# Altium PCB S7CAS-PLEIADES-CARTE-MERE_Pxx.PcbDoc (part 2 of 8)
Units mil, origin at the board's own origin, x right, y up, seen from the top; angles counter-clockwise.
Board outline 8000 x 4000 mil, 14 copper layers (L1, L2 (GND), L3, L4 (GND), L5, L6 (GND), L7 (PWR), L8 (GND), L9 (PWR), L10 (GND), L11 (GND), L12, L13 (GND), L14), stack 81.971 mil thick; 686 components, 434 nets, 2811 pads, 1136 vias.
Unrouted connection lines stored in the file: 1167.
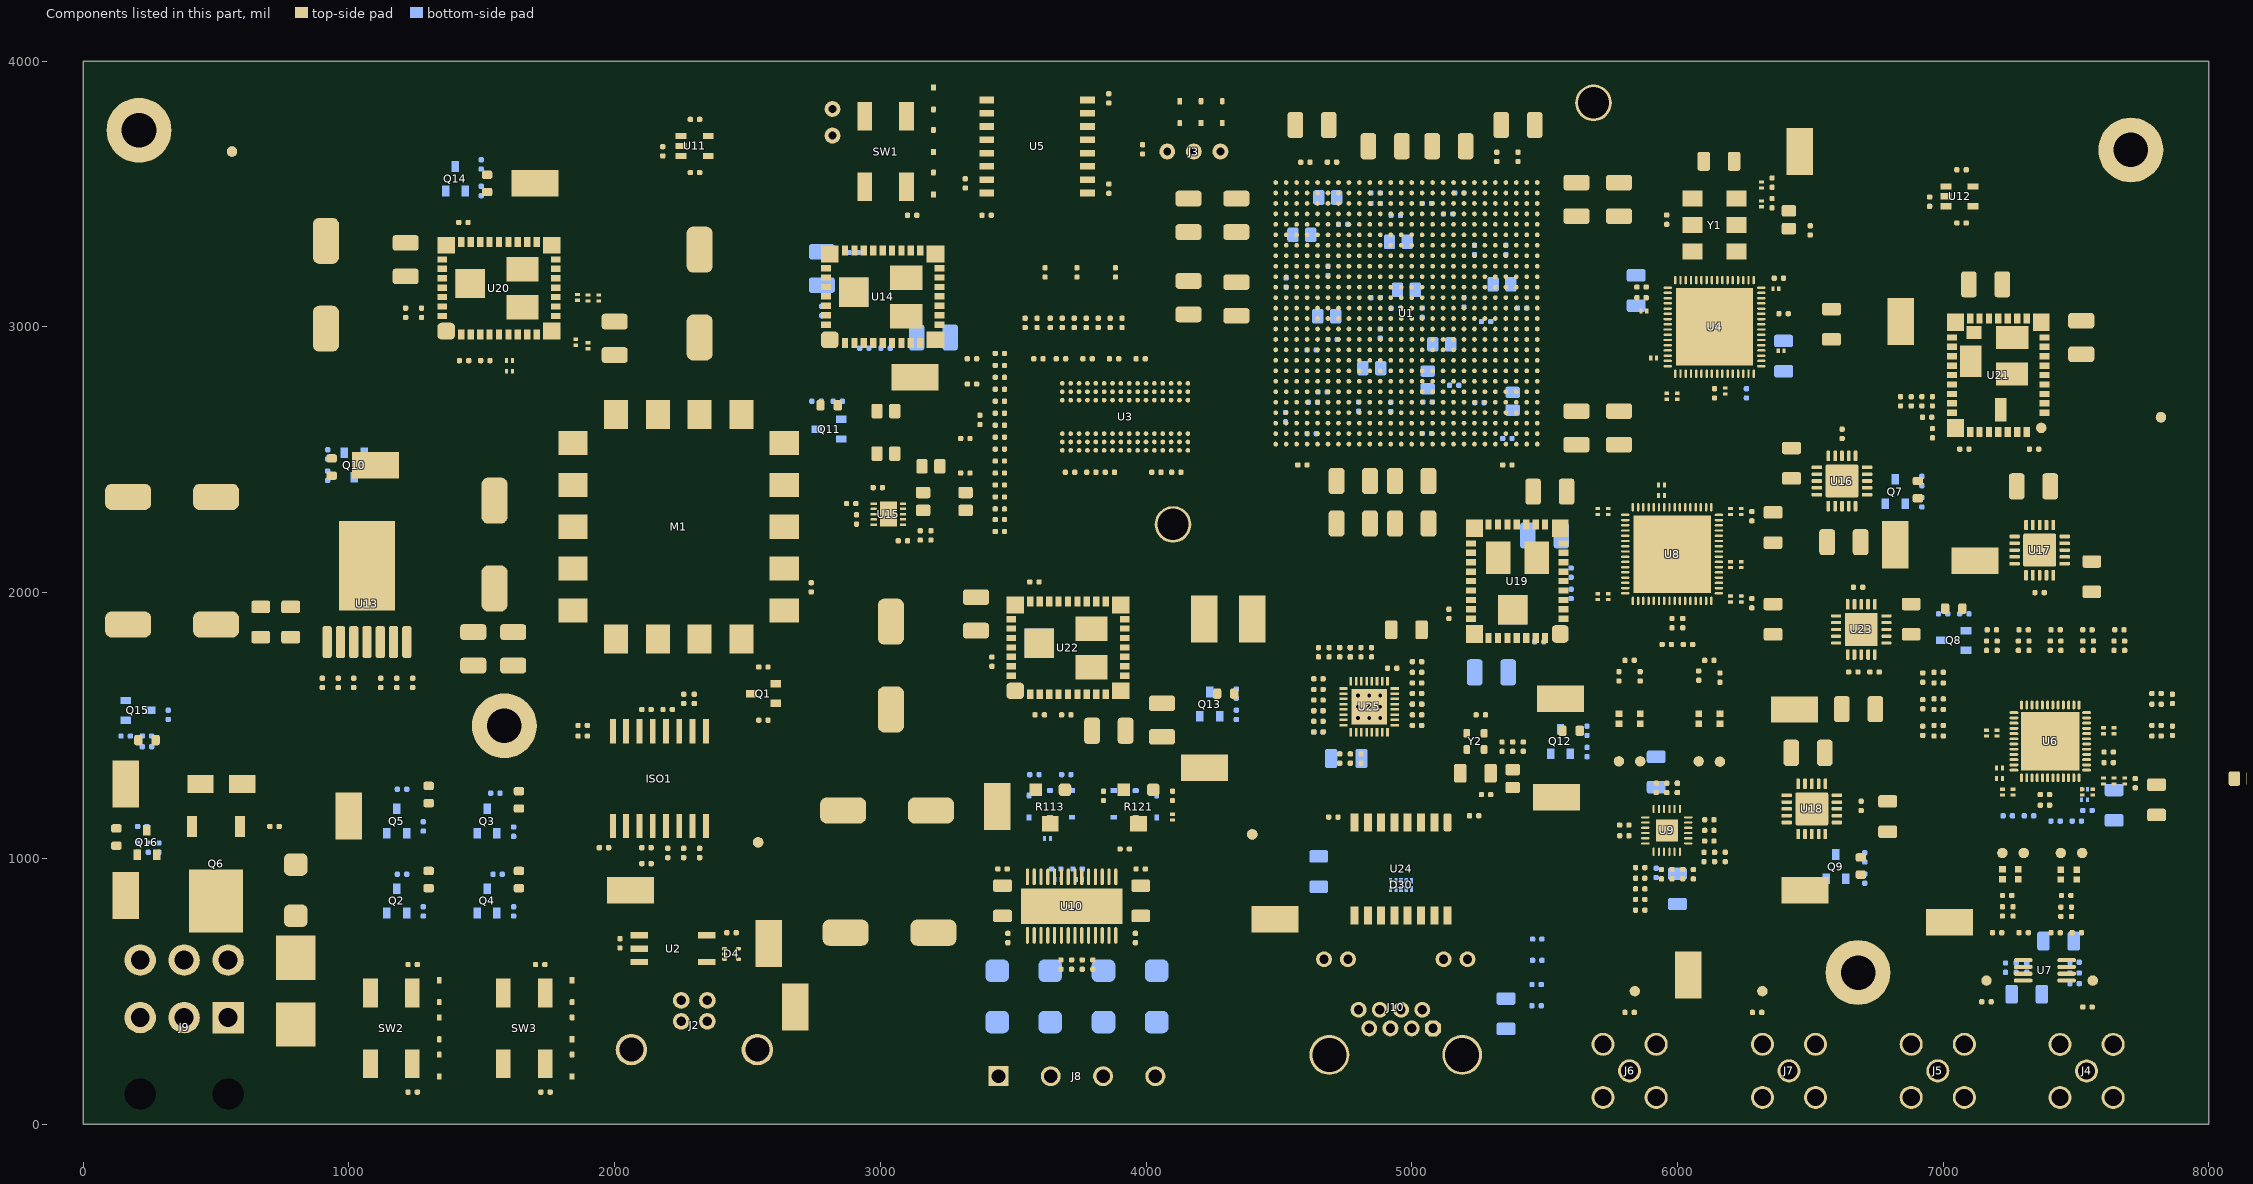
[diagram p13: the components of this part, seen from the top]

## Components (designator, comment, footprint, x,y, rotation, side; value= is the part's Value field where it differs from the comment) (continued)
R149 "RES - 0603" RES_0402 5140,1920 r90 top
R150 "RES - 0603" RES_0402 5600,1995 r270 bottom
R151 "RES - 0603" RES_0402 1433.48,2873.17 r180 top value=174K
R152 "RES - 0603" RES_0402 1430.98,3393.17 r0 top value=49K9
R153 "RES - 0603" RES_0402 1273.48,3053.17 r90 top value=400R
R154 "RES - 0603" RES_0402 5480,1815 r180 bottom
R155 "RES - 0603" RES_0402 1213.48,3053.17 r270 top value=59R
R156 "RES - 0603" RES_0402 6960,2720 r90 top value=174K
R157 "RES - 0603" RES_0402 7342.5,2540 r180 top value=78K7
R158 "RES - 0603" RES_0402 6661.94,1701.28 r180 top value=332K
R159 "RES - 0603" RES_0402 7080,2540 r0 top value=93K1
R160 "RES - 0603" RES_0402 6940,2660 r0 top value=11K5
R161 "RES - 0603" RES_0402 6741.94,1701.28 r180 top value=102K
R162 "RES - 0603" RES_0402 3580,2040 r0 top value=49K9
R163 "RES - 0603" RES_0402 3600,1540 r180 top value=348K
R164 "RES - 0603" RES_0402 3420,1740 r270 top value=1K65
R165 "RES - 0805" RES_0805 16500,1270 r90 top value=0R
R166 "RES - 1206" RES_1206 16780,1250 r90 top value=0R22
R167 "RES - 0603" RES_0402 17030,1310 r90 top value=30R
R168 "RES - 0603" RES_0402 17310,1310 r90 top value=59R
R169 "RES - 0603" RES_0402 17590,1310 r90 top value=240R
R170 "RES - 0603" RES_0402 17870,1310 r90 top value=400R
R171 "RES - 0402" RES_0402 18150,1310 r90 top value=1K14
R172 "RES - 0603" RES_0402 18410,1310 r90 top value=2.2K
R173 "RES - 0603" RES_0402 18690,1310 r90 top value=2K87
R174 "RES - 0402" RES_0402 18970,1310 r90 top value=6K49
R175 "RES - 0603" RES_0402 19250,1310 r90 top value=13K
R176 "RES - 0603" RES_0402 19530,1310 r90 top value=78K7
R177 "RES - 0603" RES_0402 19810,1310 r90 top value=93K1
R178 "RES - 0603" RES_0402 20090,1310 r90 top value=348K
R179 "RES - 0402" RES_0402 11330,1310 r90 top value=24R
R180 "RES - 0603" RES_0402 11610,1310 r90 top value=75R
R181 "RES - 0603" RES_0402 11890,1310 r90 top value=330R
R182 "RES - 0603" RES_0402 12150,1310 r90 top value=1K
R183 "RES - 0603" RES_0402 12430,1310 r90 top value=2.4K
R184 "RES - 0603" RES_0402 12710,1310 r90 top value=1K15
R185 "RES - 0603" RES_0402 12990,1310 r90 top value=11K5
R186 "RES - 0603" RES_0402 13270,1310 r90 top value=21K5
R187 "RES - 0603" RES_0402 13550,1310 r90 top value=59K
R188 "RES - 0603" RES_0402 13830,1310 r90 top value=174K
R189 "RES - 0603" RES_0402 14110,1310 r90 top value=102K
R190 "RES - 0603" RES_0402 10790,1310 r90 top value=100R
R191 "RES - 0603" RES_0402 11070,1310 r90 top value=0R
R192 "RES - 0603" RES_0402 10510,1310 r90 top value=4.7K
R193 "RES - 0603" RES_0402 8550,1310 r90 top value=750R
R194 "RES - 0603" RES_0402 8830,1310 r90 top value=1K65
R195 "RES - 0603" RES_0402 9110,1310 r90 top value=10K
R196 "RES - 0603" RES_0402 9390,1310 r90 top value=49K9
R197 "RES - 0603" RES_0402 9670,1310 r90 top value=47K
R198 "RES - 0603" RES_0402 9950,1310 r90 top value=715K
R199 "RES - 0603" RES_0402 10230,1310 r90 top value=332K
R200 "RES - 0603" RES_0402 8260,1310 r90 top value=49R9
R201 "RES - 0603" RES_0402 5470,525 r0 bottom value=75R
R202 "RES - 0603" RES_0402 5470,445 r0 bottom value=75R
R203 "RES - 0603" RES_0402 5472.5,696 r0 bottom value=75R
R204 "RES - 0603" RES_0402 5472.5,616 r0 bottom value=75R
R205 "RES - 0603" RES_0402 4649.05,1475.51 r180 bottom value=1K
R206 "RES - 0603" RES_0402 5020,1580 r0 bottom locked value=1K
R207 "RES - 0603" RES_0402 4769.05,1775.51 r90 bottom locked value=1K
R208 "RES - 0603" RES_0402 5020,1540 r180 top locked value=30R
R209 "RES - 0603" RES_0402 5020,1580 r180 top locked value=30R
R210 "RES - 0603" RES_0402 4649.05,1555.51 r0 top locked value=30R
R211 "RES - 0603" RES_0402 4649.05,1515.51 r0 top locked value=30R
R212 "RES - 0603" RES_0402 4849.05,1775.51 r270 top locked value=30R
R213 "RES - 0603" RES_0402 4769.05,1775.51 r270 top locked value=30R
R214 "RES - 0603" RES_0402 5020,1740 r180 top locked value=30R
R215 "RES - 0603" RES_0402 5020,1700 r180 top locked value=30R
R216 "RES - 0603" RES_0402 5020,1660 r180 top locked value=30R
R217 "RES - 0603" RES_0402 5020,1620 r180 top locked value=30R
R218 "RES - 0603" RES_0402 4649.05,1555.51 r180 bottom value=1K
R220 "RES - 0603" RES_0402 4809.05,1775.51 r270 top value=30R
R221 "RES - 0603" RES_0402 4689.05,1775.51 r270 top value=30R
R222 "RES - 0603" RES_0402 4649.05,1475.51 r0 top value=30R
R223 "RES - 0603" RES_0402 4649.05,1775.51 r270 top value=30R
R224 "RES - 0603" RES_0402 4649.05,1675.51 r0 top value=30R
R225 "RES - 0603" RES_0402 4649.05,1635.51 r0 top value=30R
R226 "RES - 0603" RES_0402 4649.05,1595.51 r0 top value=30R
R227 "RES - 0603" RES_0402 4729.05,1775.51 r270 top value=30R
R228 "RES - 0402" RES_0402 5020,1500 r180 top locked value=6K49
R229 "RES - 0603" RES_0402 5260,1540 r0 top value=0R
R230 "RES - 0402" RES_0402 6920,2420 r90 bottom value=750R
R231 "RES - 0402" RES_0402 7000,1920 r180 bottom value=750R
R232 "RES - 0402" RES_0402 6705.45,1003.48 r90 bottom value=750R
R233 "RES - 0402" RES_0402 920,2440 r270 bottom value=750R
R234 "RES - 0402" RES_0402 2760,2720 r180 bottom value=750R
R235 "RES - 0402" RES_0402 5660,1480 r90 bottom value=750R
R236 "RES - 0402" RES_0402 4340,1620 r90 bottom value=750R
R237 "RES - 0402" RES_0402 1498,3611.54 r90 bottom value=750R
R238 "RES - 0402" RES_0402 6920,2340 r270 bottom value=100R
R239 "RES - 0402" RES_0402 7080,1920 r180 bottom value=100R
R240 "RES - 0402" RES_0402 6705.45,923.48 r90 bottom value=100R
R241 "RES - 0402" RES_0402 920,2520 r270 bottom value=100R
R242 "RES - 0402" RES_0402 2840,2720 r0 bottom value=100R
R243 "RES - 0402" RES_0402 5660,1400 r270 bottom value=100R
R244 "RES - 0402" RES_0402 4340,1540 r270 bottom value=100R
R245 "RES - 0402" RES_0402 1498,3511.54 r90 bottom value=100R
R246 "RES - 0402" RES_0402 320,1540 r90 bottom value=750R
R247 "RES - 0402" RES_0402 240,1460 r0 bottom value=59K
R248 "RES - 0402" RES_0402 222.5,1120 r180 bottom value=750R
R249 "RES - 0402" RES_0402 285,1040 r270 bottom value=59K
R250 "RES - 0402" RES_0402 160,1460 r180 bottom value=100R
R251 "RES - 0402" RES_0402 205,1040 r90 bottom value=100R
R252 "RES - 0402" RES_0402 240,1420 r180 bottom value=10K
R253 "RES - 0402" RES_0402 245,1040 r90 bottom value=10K
R254 "RES - 0603" RES_0402 3450,2675 r0 top
SW1 "B3SN-3012P" SWI_TACT_B3SN-3012P 3020,3660 r90 top
SW2 "B3SN-3012P" SWI_TACT_B3SN-3012P 1160,360 r90 top
SW3 "B3SN-3012P" SWI_TACT_B3SN-3012P 1660,360 r90 top
TP1 "1 MM" TPO_SMD_ROUND_1MM 7523.31,1020 r0 top
TP2 "1 MM" TPO_SMD_ROUND_1MM 7443.31,1020 r90 top
TP3 "1 MM" TPO_SMD_ROUND_1MM 7563.31,540 r90 top
TP4 "1 MM" TPO_SMD_ROUND_1MM 7223.31,1020 r90 top
TP5 "1 MM" TPO_SMD_ROUND_1MM 7303.31,1020 r90 top
TP6 "1 MM" TPO_SMD_ROUND_1MM 7163.31,540 r90 top
TP7 "1 MM" TPO_SMD_ROUND_1MM 5840,500 r90 top
TP8 "5019" TPO_SMD_5019 7023.31,760 r0 top value="3.81mm x 2.03mm"
TP9 "1 MM" TPO_SMD_ROUND_1MM 5780,1365 r180 top
TP10 "1 MM" TPO_SMD_ROUND_1MM 5860,1365 r180 top
TP11 "1 MM" TPO_SMD_ROUND_1MM 6320,500 r90 top
TP12 "5019" TPO_SMD_5019 6040,560 r270 top value="3.81mm x 2.03mm"
TP14 "1 MM" TPO_SMD_ROUND_1MM 6080,1365 r180 top
TP15 "5019" TPO_SMD_5019 3440,1195 r90 top value="3.81mm x 2.03mm"
TP16 "5019" TPO_SMD_5019 4220,1340 r0 top value="3.81mm x 2.03mm"
TP17 "5019" TPO_SMD_5019 160,860 r90 top value="3.81mm x 2.03mm"
TP18 "5019" TPO_SMD_5019 2060,880 r180 top value="3.81mm x 2.03mm"
TP19 "5019" TPO_SMD_5019 160,1280 r270 top value="3.81mm x 2.03mm"
TP20 "5019" TPO_SMD_5019 5560,1600 r180 top value="3.81mm x 2.03mm"
TP21 "5019" TPO_SMD_5019 6820,2180 r90 top value="3.81mm x 2.03mm"
TP22 "5019" TPO_SMD_5019 1700,3540 r180 top value="3.81mm x 2.03mm"
TP23 "5019" TPO_SMD_5019 2680,440 r270 top value="3.81mm x 2.03mm"
TP24 "5019" TPO_SMD_5019 6460,3660 r90 top value="3.81mm x 2.03mm"
TP25 "5019" TPO_SMD_5019 4220,1900 r90 top value="3.81mm x 2.03mm"
TP26 "5019" TPO_SMD_5019 3130,2810 r180 top value="3.81mm x 2.03mm"
TP27 "5019" TPO_SMD_5019 4400,1900 r90 top value="3.81mm x 2.03mm"
TP28 "5019" TPO_SMD_5019 6440,1560 r180 top value="3.81mm x 2.03mm"
TP29 "5019" TPO_SMD_5019 6480,880 r180 top value="3.81mm x 2.03mm"
TP30 "5019" TPO_SMD_5019 6840,3020 r90 top value="3.81mm x 2.03mm"
TP31 "5019" TPO_SMD_5019 1100,2480 r0 top value="3.81mm x 2.03mm"
TP32 "5019" TPO_SMD_5019 2580,680 r90 top value="3.81mm x 2.03mm"
TP33 "5019" TPO_SMD_5019 4485,770 r0 top value="3.81mm x 2.03mm"
TP34 "5019" TPO_SMD_5019 1000,1160 r90 top value="3.81mm x 2.03mm"
TP35 "5019" TPO_SMD_5019 5545,1230 r180 top value="3.81mm x 2.03mm"
TP36 "5019" TPO_SMD_5019 7120,2120 r180 top value="3.81mm x 2.03mm"
TP37 "1 MM" TPO_SMD_ROUND_1MM 6160,1363.7 r180 top
U1 "XC6SLX100-3FGG676C" FPGA_XILINX_FGG676 4980.31,3051.18 r180 top locked
U2 "TLP2362" OPTO_TLP2362 2220,660 r180 top
U3 "MT41J128M16JT-125" MEM_DDR3_MT41J128M16JT-125 3921.25,2661.41 r270 top locked
U4 "CDCE62005RGZT" TIM_CDCE62005RGZT 6139.69,3000 r0 top
U5 "M25P128-VMF6TP" "FLASH - M25P128-VMF6TP" 3590,3679 r0 top
U6 "AD9146BCPZ" DAC_AD9146BCPZ 7403.31,1440 r180 top
U7 "AD8056ARMZ" OPAMP_AD8056ARMZ 7383.31,578.39 r180 top
U8 "ADS62P48IRGCT" ADC_ADS62P48IRGCT 5980,2145 r0 top
U9 "ADA4927-2YCPZ-R2" OPAMP_ADA4927-2YCPZ-R2 5960,1105 r90 top
U10 "DRV8811PWPR" POW_MOTOR_DRV8811PWPR 3720,820 r270 top
U11 "TC74A0-3.3VCTTR" SEN_TEMP_TC74A0-3.3VCTTR 2301.3,3680.94 r0 top
U12 "TC74A0-3.3VCTTR" SEN_TEMP_TC74A0-3.3VCTTR 7061.82,3491.28 r0 top
U13 "LMZ23605TZE/NOPB" REG_SWR_LMZ23605TZE/NOPB 1068.03,2101.5 r0 top
U14 "LMZ30604" REG_SWI_LMZ30604 2810,2951.5 r0 top
U15 "TPS51200DRCT" REG_PMIC_TPS51200DRCT 3030.48,2295.2 r180 top
U16 "TPS7A4701RGWR" REG_TPS7A4701RGWR 6619.37,2420 r90 top value="1.4 à 34V"
U17 "TPS7A4701RGWR" REG_TPS7A4701RGWR 7363.31,2160 r270 top locked value="1.4 à 34V"
U18 "TPS7A4701RGWR" REG_TPS7A4701RGWR 6505.9,1185.9 r0 top locked value="1.4 à 34V"
U19 "LMZ30602" REG_SWI_LMZ30602 5559.13,1844.45 r90 top locked
U20 "LMZ30604" REG_SWI_LMZ30604 1366.08,2984.19 r0 top
U21 "LMZ34002RKGR" REG_SWR_LMZ34002RKGR 7208.03,2818.66 r90 top value="-3 ~ -17V"
U22 "LMZ30602" REG_SWI_LMZ30602 3507.6,1630.31 r0 top
U23 "TPS7A3301RGWR" REG_LDO_TPS7A3301RGWR 6691.94,1861.28 r0 top value=-1.18V~-33V
U24 "PT61017PEL" ISO_PT61017PEL 4960,960 r270 top locked
U25 "KSZ8091MNXCA" COM_ETH_PHY_KSZ8091MNXCA 4840,1570.31 r90 top locked
Y1 "590BD-BDG" OSC_590BD-BDG 6139.69,3383.31 r0 top value="±7ppm (freq Stability), ±20ppm (freq stability total)"
Y2 "ASDMB-25.000MHZ-LC-T" OSC_ASDMB-25.000MHZ-LC-T 5240,1440 r180 top value=25MHz

## Footprints (in the part's own frame and the unit in brackets; to place one, negate y for a bottom-side part, rotate by r counter-clockwise, add the part's x,y. Pads: shape width x height; smd on the part's side, far side on the other; paste and mask are expansions set on the pad)
ADC_ADS62P48IRGCT [mm] "QFN, 64-Leads, Body 9,00x9,00mm, Pitch 0,50mm, Thermal Pad 7,40x7,40mm, IPC Medium Density"
  oval 0.8x0.23 smd mask+0.07: 1(-4.475,3.75) 2(-4.475,3.25) 3(-4.475,2.75) 4(-4.475,2.25) 5(-4.475,1.75) 6(-4.475,1.25) 7(-4.475,0.75) 8(-4.475,0.25) 9(-4.475,-0.25) 10(-4.475,-0.75) 11(-4.475,-1.25) 12(-4.475,-1.75) 13(-4.475,-2.25) 14(-4.475,-2.75) 15(-4.475,-3.25) 16(-4.475,-3.75) 33(4.475,-3.75) 34(4.475,-3.25) 35(4.475,-2.75) 36(4.475,-2.25) 37(4.475,-1.75) 38(4.475,-1.25) 39(4.475,-0.75) 40(4.475,-0.25) 41(4.475,0.25) 42(4.475,0.75) 43(4.475,1.25) 44(4.475,1.75) 45(4.475,2.25) 46(4.475,2.75) 47(4.475,3.25) 48(4.475,3.75)
  oval 0.23x0.8 smd mask+0.07: 17(-3.75,-4.475) 18(-3.25,-4.475) 19(-2.75,-4.475) 20(-2.25,-4.475) 21(-1.75,-4.475) 22(-1.25,-4.475) 23(-0.75,-4.475) 24(-0.25,-4.475) 25(0.25,-4.475) 26(0.75,-4.475) 27(1.25,-4.475) 28(1.75,-4.475) 29(2.25,-4.475) 30(2.75,-4.475) 31(3.25,-4.475) 32(3.75,-4.475) 49(3.75,4.475) 50(3.25,4.475) 51(2.75,4.475) 52(2.25,4.475) 53(1.75,4.475) 54(1.25,4.475) 55(0.75,4.475) 56(0.25,4.475) 57(-0.25,4.475) 58(-0.75,4.475) 59(-1.25,4.475) 60(-1.75,4.475) 61(-2.25,4.475) 62(-2.75,4.475) 63(-3.25,4.475) 64(-3.75,4.475)
  rect 7.4x7.4 smd mask+0.07: PAD(0,0)
  silkscreen extent -5.5,-4.72 4.72,4.72, body extent -4.57,-4.57 4.57,4.57, height 1
ATS-H1-164-C2-R0 [mm]
  round 3.5 hole 3 paste-2539.97: 1(-19.6,20.9)
  round 3.5 hole 3: 2(20.7,-19.3)
  body extent -23.83,-23.73 24.43,24.53, height 35
CAP_0201 [mil]
  rect 12x18 smd: 1(-11,0) 2(11,0)
  silkscreen extent -22,-14 22,14, body extent -12,-6 12,6, height 12
CAP_0402 [mil]
  rrect60% 20x20 smd: 1(-17.5,0) 2(17.5,0)
  silkscreen extent -32,-15 32,15, body extent -19,-10 20,10, height 20
CAP_0805 [mil]
  rrect37% 43x55 smd: 1(-33.5,0) 2(33.5,0)
  silkscreen extent -66,-38 66,38, body extent -39,-24 40,25, height 49
CAP_1206 [mil]
  rrect34% 47x71 smd: 1(-57,0) 2(57,0)
  silkscreen extent -91,-45 91,45, body extent -62,-31 64,32, height 49
CAP_1210 [mm]
  rrect40% 1.5x2.5 smd: 1(-1.6,0) 2(1.6,0)
  silkscreen extent -2.54,-1.78 2.54,1.78, body extent -1.57,-1.24 1.63,1.26, height 2.5
CAP_ALU_1010_vishay [mm]
  rrect50% 4.4x2.5 smd: 1(8.4,0) 2(0,0)
  silkscreen extent -0.72,-6.05 11.22,5.28, body extent -1.4,-5.17 10.2,5.13, height 10.2
CAP_ALU_1616_vishay [mm]
  rrect50% 7.8x9.6 smd: 1(12.5,0) 2(0,0)
  silkscreen extent -2.7,-8.42 16.68,8.6, body extent -2.7,-8.4 15,8.6, height 16.5
COM_ETH_PHY_KSZ8091MNXCA [mm]
  rect 0.8x0.25 smd: 1(-2.45,1.75) 2(-2.45,1.25) 3(-2.45,0.75) 4(-2.45,0.25) 5(-2.45,-0.25) 6(-2.45,-0.75) 7(-2.45,-1.25) 8(-2.45,-1.75) 17(2.45,-1.75) 18(2.45,-1.25) 19(2.45,-0.75) 20(2.45,-0.25) 21(2.45,0.25) 22(2.45,0.75) 23(2.45,1.25) 24(2.45,1.75)
  rect 0.25x0.8 smd: 9(-1.75,-2.45) 10(-1.25,-2.45) 11(-0.75,-2.45) 12(-0.25,-2.45) 13(0.25,-2.45) 14(0.75,-2.45) 15(1.25,-2.45) 16(1.75,-2.45) 25(1.75,2.45) 26(1.25,2.45) 27(0.75,2.45) 28(0.25,2.45) 29(-0.25,2.45) 30(-0.75,2.45) 31(-1.25,2.45) 32(-1.75,2.45)
  rrect0% 3.4x3.4 smd: 33(0,0)
  round 0.6 hole 0.35: 34(-1.07,1.07) 35(0,1.07) 36(1.07,1.07) 37(-1.07,0) 38(0,0) 39(1.07,0) 40(-1.07,-1.07) 41(0,-1.07) 42(1.07,-1.07)
  silkscreen extent -3.48,-2.98 2.98,2.98, body extent -2.5,-2.5 2.5,2.5, height 0.9
CON_MINIFIT_0039300060 [mm]
  round 0 hole 2.997 unplated mask+0.07: 0(-4.2,2.718) 0(4.2,2.718)
  rect 3x3 hole 1.803 mask+0.07: 1(-4.2,-4.583)
  round 3 hole 1.803 mask+0.07: 2(0,-4.583) 3(4.2,-4.583) 4(-4.2,-10.082) 5(0,-10.082) 6(4.2,-10.082)
  silkscreen extent -7.37,-3.3 6.98,9.4, body extent -7.3,-10.62 6.9,9.32, height 11.4
CON_USB_USB-B-S-F-B-TH [mm]
  round 1.6 hole 0.9 mask+0.07: 1(1.25,4.7) 2(-1.25,4.7) 3(-1.25,2.7) 4(1.25,2.7)
  round 3 hole 2.3 mask+0.07: 5(-6.02,0) 6(6.02,0)
  silkscreen extent -6.38,-5.7 6.38,6.32, body extent -7.25,-10.4 7.25,6.1, height 10.9
CONN_ETHERNET_RJHSE-5385 [mil] "Ethernet connector with LEDs"
  round 150 hole 128: 0(-250,-100) 0(250,-100)
  oct 60x60 hole 35: 1(140,0)
  round 60 hole 35: 2(100,70) 3(60,0) 4(20,70) 5(-20,0) 6(-60,70) 7(-100,0) 8(-140,70) 9(270,260) 10(180,260) 11(-180,260) 12(-270,260)
  silkscreen extent -330,-300 335,300, body extent -329,-325 334,313, height 597
CONN_SMA_5-1814400-1 [mm] "SMA Right Angle Jack, 14.8x6.35x9.6mm"
  round 2.2 hole 1.65: 1(0,0) 2(-2.54,2.54) 3(2.54,2.54) 4(-2.54,-2.54) 5(2.54,-2.54)
  silkscreen extent -3.17,-3.17 3.17,3.17, body extent -3.15,-3.16 3.18,11.04, height 10.47
CONN_TERMINAL_OSTTA040161 [mm] "4-pins terminal block"
  rect 1.905x1.905 hole 1.3 mask+0.12: 1(-7.5,0)
  round 1.905 hole 1.3 mask+0.12: 2(-2.5,0) 3(2.5,0) 4(7.5,0)
  silkscreen extent -10.6,-4 10.6,5, body extent -10.67,-3.3 10.49,4.2, height 10.08
DAC_AD9146BCPZ [mm] "QFN, 48-Leads, Body 7x7mm, Pitch 0.5mm, Thermal Pad 5.6x5.6mm, IPC Medium Density"
  oval 0.85x0.28 smd mask+0.07: 1(-3.475,2.75) 2(-3.475,2.25) 3(-3.475,1.75) 4(-3.475,1.25) 5(-3.475,0.75) 6(-3.475,0.25) 7(-3.475,-0.25) 8(-3.475,-0.75) 9(-3.475,-1.25) 10(-3.475,-1.75) 11(-3.475,-2.25) 12(-3.475,-2.75) 25(3.475,-2.75) 26(3.475,-2.25) 27(3.475,-1.75) 28(3.475,-1.25) 29(3.475,-0.75) 30(3.475,-0.25) 31(3.475,0.25) 32(3.475,0.75) 33(3.475,1.25) 34(3.475,1.75) 35(3.475,2.25) 36(3.475,2.75)
  oval 0.28x0.85 smd mask+0.07: 13(-2.75,-3.475) 14(-2.25,-3.475) 15(-1.75,-3.475) 16(-1.25,-3.475) 17(-0.75,-3.475) 18(-0.25,-3.475) 19(0.25,-3.475) 20(0.75,-3.475) 21(1.25,-3.475) 22(1.75,-3.475) 23(2.25,-3.475) 24(2.75,-3.475) 37(2.75,3.475) 38(2.25,3.475) 39(1.75,3.475) 40(1.25,3.475) 41(0.75,3.475) 42(0.25,3.475) 43(-0.25,3.475) 44(-0.75,3.475) 45(-1.25,3.475) 46(-1.75,3.475) 47(-2.25,3.475) 48(-2.75,3.475)
  rect 5.6x5.6 smd mask+0.07: PAD(0,0)
  silkscreen extent -4.47,-3.7 3.7,3.7, body extent -3.55,-3.55 3.55,3.55, height 0.8
FER_0805 [mil]
  rrect37% 43x55 smd: 1(-33.5,0) 2(33.5,0)
  silkscreen extent -66,-38 66,38, body extent -40,-25 38,25, height 33
"FID_CIRCLE_1MM - PASTE_MASK" [mm]
  round 1 smd paste-1 mask+1: 1(0,0)
  round 1 smd far side paste-1 mask+1: 2(0,0)
  L1 keep-out circle w1: c0,0 r1
  L14 keep-out circle w1: c0,0 r1
  silkscreen extent -1.65,-1.65 1.65,1.65
"FLASH - M25P128-VMF6TP" [mil]
  rect 55x25 smd mask+2.76: 1(-190,175) 2(-190,125) 3(-190,75) 4(-190,25) 5(-190,-25) 6(-190,-75) 7(-190,-125) 8(-190,-175) 9(190,-175) 10(190,-125) 11(190,-75) 12(190,-25) 13(190,25) 14(190,75) 15(190,125) 16(190,175)
  silkscreen extent -218,-205 190,205, body extent -209,-203 209,203, height 104
FPGA_XILINX_FGG676 [mm]
  round 0.45 smd mask+0.05: A1(-12.5,12.5) A2(-11.5,12.5) A3(-10.5,12.5) A4(-9.5,12.5) A5(-8.5,12.5) A6(-7.5,12.5) A7(-6.5,12.5) A8(-5.5,12.5) A9(-4.5,12.5) A10(-3.5,12.5) A11(-2.5,12.5) A12(-1.5,12.5) A13(-0.5,12.5) A14(0.5,12.5) A15(1.5,12.5) A16(2.5,12.5) A17(3.5,12.5) A18(4.5,12.5) A19(5.5,12.5) A20(6.5,12.5) A21(7.5,12.5) A22(8.5,12.5) A23(9.5,12.5) A24(10.5,12.5) A25(11.5,12.5) A26(12.5,12.5) AA1(-12.5,-7.5) AA2(-11.5,-7.5) AA3(-10.5,-7.5) AA4(-9.5,-7.5) AA5(-8.5,-7.5) AA6(-7.5,-7.5) AA7(-6.5,-7.5) AA8(-5.5,-7.5) AA9(-4.5,-7.5) AA10(-3.5,-7.5) AA11(-2.5,-7.5) AA12(-1.5,-7.5) AA13(-0.5,-7.5) AA14(0.5,-7.5) AA15(1.5,-7.5) AA16(2.5,-7.5) AA17(3.5,-7.5) AA18(4.5,-7.5) AA19(5.5,-7.5) AA20(6.5,-7.5) AA21(7.5,-7.5) AA22(8.5,-7.5) AA23(9.5,-7.5) AA24(10.5,-7.5) AA25(11.5,-7.5) AA26(12.5,-7.5) AB1(-12.5,-8.5) AB2(-11.5,-8.5) AB3(-10.5,-8.5) AB4(-9.5,-8.5) AB5(-8.5,-8.5) AB6(-7.5,-8.5) AB7(-6.5,-8.5) AB8(-5.5,-8.5) AB9(-4.5,-8.5) AB10(-3.5,-8.5) AB11(-2.5,-8.5) AB12(-1.5,-8.5) AB13(-0.5,-8.5) AB14(0.5,-8.5) AB15(1.5,-8.5) AB16(2.5,-8.5) AB17(3.5,-8.5) AB18(4.5,-8.5) AB19(5.5,-8.5) AB20(6.5,-8.5) AB21(7.5,-8.5) AB22(8.5,-8.5) AB23(9.5,-8.5) AB24(10.5,-8.5) AB25(11.5,-8.5) AB26(12.5,-8.5) AC1(-12.5,-9.5) AC2(-11.5,-9.5) AC3(-10.5,-9.5) AC4(-9.5,-9.5) AC5(-8.5,-9.5) AC6(-7.5,-9.5) AC7(-6.5,-9.5) AC8(-5.5,-9.5) AC9(-4.5,-9.5) AC10(-3.5,-9.5) AC11(-2.5,-9.5) AC12(-1.5,-9.5) AC13(-0.5,-9.5) AC14(0.5,-9.5) AC15(1.5,-9.5) AC16(2.5,-9.5) AC17(3.5,-9.5) AC18(4.5,-9.5) AC19(5.5,-9.5) AC20(6.5,-9.5) AC21(7.5,-9.5) AC22(8.5,-9.5) AC23(9.5,-9.5) AC24(10.5,-9.5) AC25(11.5,-9.5) AC26(12.5,-9.5) AD1(-12.5,-10.5) AD2(-11.5,-10.5) AD3(-10.5,-10.5) AD4(-9.5,-10.5) AD5(-8.5,-10.5) AD6(-7.5,-10.5) AD7(-6.5,-10.5) AD8(-5.5,-10.5) AD9(-4.5,-10.5) AD10(-3.5,-10.5) AD11(-2.5,-10.5) AD12(-1.5,-10.5) AD13(-0.5,-10.5) AD14(0.5,-10.5) AD15(1.5,-10.5) AD16(2.5,-10.5) AD17(3.5,-10.5) AD18(4.5,-10.5) AD19(5.5,-10.5) AD20(6.5,-10.5) AD21(7.5,-10.5) AD22(8.5,-10.5) AD23(9.5,-10.5) AD24(10.5,-10.5) AD25(11.5,-10.5) AD26(12.5,-10.5) AE1(-12.5,-11.5) AE2(-11.5,-11.5) AE3(-10.5,-11.5) AE4(-9.5,-11.5) AE5(-8.5,-11.5) AE6(-7.5,-11.5) AE7(-6.5,-11.5) AE8(-5.5,-11.5) AE9(-4.5,-11.5) AE10(-3.5,-11.5) AE11(-2.5,-11.5) AE12(-1.5,-11.5) AE13(-0.5,-11.5) AE14(0.5,-11.5) AE15(1.5,-11.5) AE16(2.5,-11.5) AE17(3.5,-11.5) AE18(4.5,-11.5) AE19(5.5,-11.5) AE20(6.5,-11.5) AE21(7.5,-11.5) AE22(8.5,-11.5) AE23(9.5,-11.5) AE24(10.5,-11.5) AE25(11.5,-11.5) AE26(12.5,-11.5) AF1(-12.5,-12.5) AF2(-11.5,-12.5) AF3(-10.5,-12.5) AF4(-9.5,-12.5) AF5(-8.5,-12.5) AF6(-7.5,-12.5) AF7(-6.5,-12.5) AF8(-5.5,-12.5) AF9(-4.5,-12.5) AF10(-3.5,-12.5) AF11(-2.5,-12.5) AF12(-1.5,-12.5) AF13(-0.5,-12.5) AF14(0.5,-12.5) AF15(1.5,-12.5) AF16(2.5,-12.5) AF17(3.5,-12.5) AF18(4.5,-12.5) AF19(5.5,-12.5) AF20(6.5,-12.5) AF21(7.5,-12.5) AF22(8.5,-12.5) AF23(9.5,-12.5) AF24(10.5,-12.5) AF25(11.5,-12.5) AF26(12.5,-12.5) B1(-12.5,11.5) B2(-11.5,11.5) B3(-10.5,11.5) B4(-9.5,11.5) B5(-8.5,11.5) B6(-7.5,11.5) B7(-6.5,11.5) B8(-5.5,11.5) B9(-4.5,11.5) B10(-3.5,11.5) B11(-2.5,11.5) B12(-1.5,11.5) B13(-0.5,11.5) B14(0.5,11.5) B15(1.5,11.5) B16(2.5,11.5) B17(3.5,11.5) B18(4.5,11.5) B19(5.5,11.5) B20(6.5,11.5) B21(7.5,11.5) B22(8.5,11.5) B23(9.5,11.5) B24(10.5,11.5) B25(11.5,11.5) B26(12.5,11.5) C1(-12.5,10.5) C2(-11.5,10.5) C3(-10.5,10.5) C4(-9.5,10.5) C5(-8.5,10.5) C6(-7.5,10.5) C7(-6.5,10.5) C8(-5.5,10.5) C9(-4.5,10.5) C10(-3.5,10.5) C11(-2.5,10.5) C12(-1.5,10.5) C13(-0.5,10.5) C14(0.5,10.5) C15(1.5,10.5) C16(2.5,10.5) C17(3.5,10.5) C18(4.5,10.5) C19(5.5,10.5) C20(6.5,10.5) C21(7.5,10.5) C22(8.5,10.5) C23(9.5,10.5) C24(10.5,10.5) C25(11.5,10.5) C26(12.5,10.5) D1(-12.5,9.5) D2(-11.5,9.5) D3(-10.5,9.5) D4(-9.5,9.5) D5(-8.5,9.5) D6(-7.5,9.5) D7(-6.5,9.5) D8(-5.5,9.5) D9(-4.5,9.5) D10(-3.5,9.5) D11(-2.5,9.5) D12(-1.5,9.5) D13(-0.5,9.5) D14(0.5,9.5) D15(1.5,9.5) D16(2.5,9.5) D17(3.5,9.5) D18(4.5,9.5) D19(5.5,9.5) D20(6.5,9.5) D21(7.5,9.5) D22(8.5,9.5) D23(9.5,9.5) D24(10.5,9.5) D25(11.5,9.5) D26(12.5,9.5) E1(-12.5,8.5) E2(-11.5,8.5) E3(-10.5,8.5) E4(-9.5,8.5) E5(-8.5,8.5) E6(-7.5,8.5) E7(-6.5,8.5) E8(-5.5,8.5) E9(-4.5,8.5) E10(-3.5,8.5) E11(-2.5,8.5) E12(-1.5,8.5) E13(-0.5,8.5) E14(0.5,8.5) E15(1.5,8.5) E16(2.5,8.5) E17(3.5,8.5) E18(4.5,8.5) E19(5.5,8.5) E20(6.5,8.5) E21(7.5,8.5) E22(8.5,8.5) E23(9.5,8.5) E24(10.5,8.5) E25(11.5,8.5) E26(12.5,8.5) F1(-12.5,7.5) F2(-11.5,7.5) F3(-10.5,7.5) F4(-9.5,7.5) F5(-8.5,7.5) F6(-7.5,7.5) F7(-6.5,7.5) F8(-5.5,7.5) F9(-4.5,7.5) F10(-3.5,7.5) F11(-2.5,7.5) F12(-1.5,7.5) F13(-0.5,7.5) F14(0.5,7.5) F15(1.5,7.5) F16(2.5,7.5) F17(3.5,7.5) F18(4.5,7.5) F19(5.5,7.5) F20(6.5,7.5) F21(7.5,7.5) F22(8.5,7.5) F23(9.5,7.5) F24(10.5,7.5) F25(11.5,7.5) F26(12.5,7.5) G1(-12.5,6.5) G2(-11.5,6.5) G3(-10.5,6.5) G4(-9.5,6.5) G5(-8.5,6.5) G6(-7.5,6.5) G7(-6.5,6.5) G8(-5.5,6.5) G9(-4.5,6.5) G10(-3.5,6.5) G11(-2.5,6.5) G12(-1.5,6.5) G13(-0.5,6.5) G14(0.5,6.5) G15(1.5,6.5) G16(2.5,6.5) G17(3.5,6.5) G18(4.5,6.5) G19(5.5,6.5) G20(6.5,6.5) G21(7.5,6.5) G22(8.5,6.5) G23(9.5,6.5) G24(10.5,6.5) G25(11.5,6.5) G26(12.5,6.5) H1(-12.5,5.5) H2(-11.5,5.5) H3(-10.5,5.5) H4(-9.5,5.5) H5(-8.5,5.5) H6(-7.5,5.5) H7(-6.5,5.5) H8(-5.5,5.5) H9(-4.5,5.5) H10(-3.5,5.5) H11(-2.5,5.5) H12(-1.5,5.5) H13(-0.5,5.5) H14(0.5,5.5) H15(1.5,5.5) H16(2.5,5.5) H17(3.5,5.5) H18(4.5,5.5) H19(5.5,5.5) H20(6.5,5.5) H21(7.5,5.5) H22(8.5,5.5) H23(9.5,5.5) H24(10.5,5.5) H25(11.5,5.5) H26(12.5,5.5) J1(-12.5,4.5) J2(-11.5,4.5) J3(-10.5,4.5) J4(-9.5,4.5) J5(-8.5,4.5) J6(-7.5,4.5) J7(-6.5,4.5) J8(-5.5,4.5) J9(-4.5,4.5) J10(-3.5,4.5) J11(-2.5,4.5) J12(-1.5,4.5) J13(-0.5,4.5) J14(0.5,4.5) J15(1.5,4.5) J16(2.5,4.5) J17(3.5,4.5) J18(4.5,4.5) J19(5.5,4.5) J20(6.5,4.5) J21(7.5,4.5) J22(8.5,4.5) J23(9.5,4.5) J24(10.5,4.5) J25(11.5,4.5) J26(12.5,4.5) K1(-12.5,3.5) K2(-11.5,3.5) K3(-10.5,3.5) K4(-9.5,3.5) K5(-8.5,3.5) K6(-7.5,3.5) K7(-6.5,3.5) K8(-5.5,3.5) K9(-4.5,3.5) K10(-3.5,3.5) K11(-2.5,3.5) K12(-1.5,3.5) K13(-0.5,3.5) K14(0.5,3.5) K15(1.5,3.5) K16(2.5,3.5) K17(3.5,3.5) K18(4.5,3.5) K19(5.5,3.5) K20(6.5,3.5) K21(7.5,3.5) K22(8.5,3.5) K23(9.5,3.5) K24(10.5,3.5) K25(11.5,3.5) K26(12.5,3.5) L1(-12.5,2.5) L2(-11.5,2.5) L3(-10.5,2.5) L4(-9.5,2.5) L5(-8.5,2.5) L6(-7.5,2.5) L7(-6.5,2.5) L8(-5.5,2.5) L9(-4.5,2.5) L10(-3.5,2.5) L11(-2.5,2.5) L12(-1.5,2.5) L13(-0.5,2.5) L14(0.5,2.5) L15(1.5,2.5) L16(2.5,2.5) L17(3.5,2.5) L18(4.5,2.5) L19(5.5,2.5) L20(6.5,2.5) L21(7.5,2.5) L22(8.5,2.5) L23(9.5,2.5) L24(10.5,2.5) L25(11.5,2.5) L26(12.5,2.5) M1(-12.5,1.5) M2(-11.5,1.5) M3(-10.5,1.5) M4(-9.5,1.5) M5(-8.5,1.5) M6(-7.5,1.5) M7(-6.5,1.5) M8(-5.5,1.5) M9(-4.5,1.5) M10(-3.5,1.5) M11(-2.5,1.5) M12(-1.5,1.5) M13(-0.5,1.5) M14(0.5,1.5) M15(1.5,1.5) M16(2.5,1.5) M17(3.5,1.5) M18(4.5,1.5) M19(5.5,1.5) M20(6.5,1.5) M21(7.5,1.5) M22(8.5,1.5) M23(9.5,1.5) M24(10.5,1.5) M25(11.5,1.5) M26(12.5,1.5) N1(-12.5,0.5) N2(-11.5,0.5) N3(-10.5,0.5) N4(-9.5,0.5) N5(-8.5,0.5) N6(-7.5,0.5) N7(-6.5,0.5) N8(-5.5,0.5) N9(-4.5,0.5) N10(-3.5,0.5) N11(-2.5,0.5) N12(-1.5,0.5) N13(-0.5,0.5) N14(0.5,0.5) N15(1.5,0.5) N16(2.5,0.5) N17(3.5,0.5) N18(4.5,0.5) N19(5.5,0.5) N20(6.5,0.5) N21(7.5,0.5) N22(8.5,0.5) N23(9.5,0.5) N24(10.5,0.5) N25(11.5,0.5) N26(12.5,0.5) P1(-12.5,-0.5) P2(-11.5,-0.5) P3(-10.5,-0.5) P4(-9.5,-0.5) P5(-8.5,-0.5) P6(-7.5,-0.5) P7(-6.5,-0.5) P8(-5.5,-0.5) P9(-4.5,-0.5) P10(-3.5,-0.5) P11(-2.5,-0.5) P12(-1.5,-0.5) P13(-0.5,-0.5) P14(0.5,-0.5) P15(1.5,-0.5) P16(2.5,-0.5) P17(3.5,-0.5) P18(4.5,-0.5) P19(5.5,-0.5) P20(6.5,-0.5) P21(7.5,-0.5) P22(8.5,-0.5) P23(9.5,-0.5) P24(10.5,-0.5) P25(11.5,-0.5) P26(12.5,-0.5) R1(-12.5,-1.5) R2(-11.5,-1.5) R3(-10.5,-1.5) R4(-9.5,-1.5) R5(-8.5,-1.5) R6(-7.5,-1.5) R7(-6.5,-1.5) R8(-5.5,-1.5) R9(-4.5,-1.5) R10(-3.5,-1.5) R11(-2.5,-1.5) R12(-1.5,-1.5) R13(-0.5,-1.5) R14(0.5,-1.5) R15(1.5,-1.5) R16(2.5,-1.5) R17(3.5,-1.5) R18(4.5,-1.5) R19(5.5,-1.5) R20(6.5,-1.5) R21(7.5,-1.5) R22(8.5,-1.5) R23(9.5,-1.5) R24(10.5,-1.5) R25(11.5,-1.5) R26(12.5,-1.5) T1(-12.5,-2.5) T2(-11.5,-2.5) T3(-10.5,-2.5) T4(-9.5,-2.5) T5(-8.5,-2.5) T6(-7.5,-2.5) T7(-6.5,-2.5) T8(-5.5,-2.5) T9(-4.5,-2.5) T10(-3.5,-2.5) T11(-2.5,-2.5) T12(-1.5,-2.5) T13(-0.5,-2.5) T14(0.5,-2.5) T15(1.5,-2.5) T16(2.5,-2.5) T17(3.5,-2.5) T18(4.5,-2.5) T19(5.5,-2.5) T20(6.5,-2.5) T21(7.5,-2.5) T22(8.5,-2.5) T23(9.5,-2.5) T24(10.5,-2.5) T25(11.5,-2.5) T26(12.5,-2.5) U1(-12.5,-3.5) U2(-11.5,-3.5) U3(-10.5,-3.5) U4(-9.5,-3.5) U5(-8.5,-3.5) U6(-7.5,-3.5) U7(-6.5,-3.5) U8(-5.5,-3.5) U9(-4.5,-3.5) U10(-3.5,-3.5) U11(-2.5,-3.5) U12(-1.5,-3.5) U13(-0.5,-3.5) U14(0.5,-3.5) U15(1.5,-3.5) U16(2.5,-3.5) U17(3.5,-3.5) U18(4.5,-3.5) U19(5.5,-3.5) U20(6.5,-3.5) U21(7.5,-3.5) U22(8.5,-3.5) U23(9.5,-3.5) U24(10.5,-3.5) U25(11.5,-3.5) U26(12.5,-3.5) V1(-12.5,-4.5) V2(-11.5,-4.5) V3(-10.5,-4.5) V4(-9.5,-4.5) V5(-8.5,-4.5) V6(-7.5,-4.5) V7(-6.5,-4.5) V8(-5.5,-4.5) V9(-4.5,-4.5) V10(-3.5,-4.5) V11(-2.5,-4.5) V12(-1.5,-4.5) V13(-0.5,-4.5) V14(0.5,-4.5) V15(1.5,-4.5) V16(2.5,-4.5) V17(3.5,-4.5) V18(4.5,-4.5) V19(5.5,-4.5) V20(6.5,-4.5) V21(7.5,-4.5) V22(8.5,-4.5) V23(9.5,-4.5) V24(10.5,-4.5) V25(11.5,-4.5) V26(12.5,-4.5) W1(-12.5,-5.5) W2(-11.5,-5.5) W3(-10.5,-5.5) W4(-9.5,-5.5) W5(-8.5,-5.5) W6(-7.5,-5.5) W7(-6.5,-5.5) W8(-5.5,-5.5) W9(-4.5,-5.5) W10(-3.5,-5.5) W11(-2.5,-5.5) W12(-1.5,-5.5) W13(-0.5,-5.5) W14(0.5,-5.5) W15(1.5,-5.5) W16(2.5,-5.5) W17(3.5,-5.5) W18(4.5,-5.5) W19(5.5,-5.5) W20(6.5,-5.5) W21(7.5,-5.5) W22(8.5,-5.5) W23(9.5,-5.5) W24(10.5,-5.5) W25(11.5,-5.5) W26(12.5,-5.5) Y1(-12.5,-6.5) Y2(-11.5,-6.5) Y3(-10.5,-6.5) Y4(-9.5,-6.5) Y5(-8.5,-6.5) Y6(-7.5,-6.5) Y7(-6.5,-6.5) Y8(-5.5,-6.5) Y9(-4.5,-6.5) Y10(-3.5,-6.5) Y11(-2.5,-6.5) Y12(-1.5,-6.5) Y13(-0.5,-6.5) Y14(0.5,-6.5) Y15(1.5,-6.5) Y16(2.5,-6.5) Y17(3.5,-6.5) Y18(4.5,-6.5) Y19(5.5,-6.5) Y20(6.5,-6.5) Y21(7.5,-6.5) Y22(8.5,-6.5) Y23(9.5,-6.5) Y24(10.5,-6.5) Y25(11.5,-6.5) Y26(12.5,-6.5)